# Altium PCB Copy of GPS_TRACKER_REVII.PcbDoc (part 1 of 2)
Units mm, origin at the board's own origin, x right, y up, seen from the top; angles counter-clockwise.
Board outline 100 x 74.9 mm, 4 copper layers (M1 Top, M2 Plane 1, M3 Layer 2, M4 Bottom), stack 1.49 mm thick; 83 components, 78 nets, 422 pads, 285 vias.
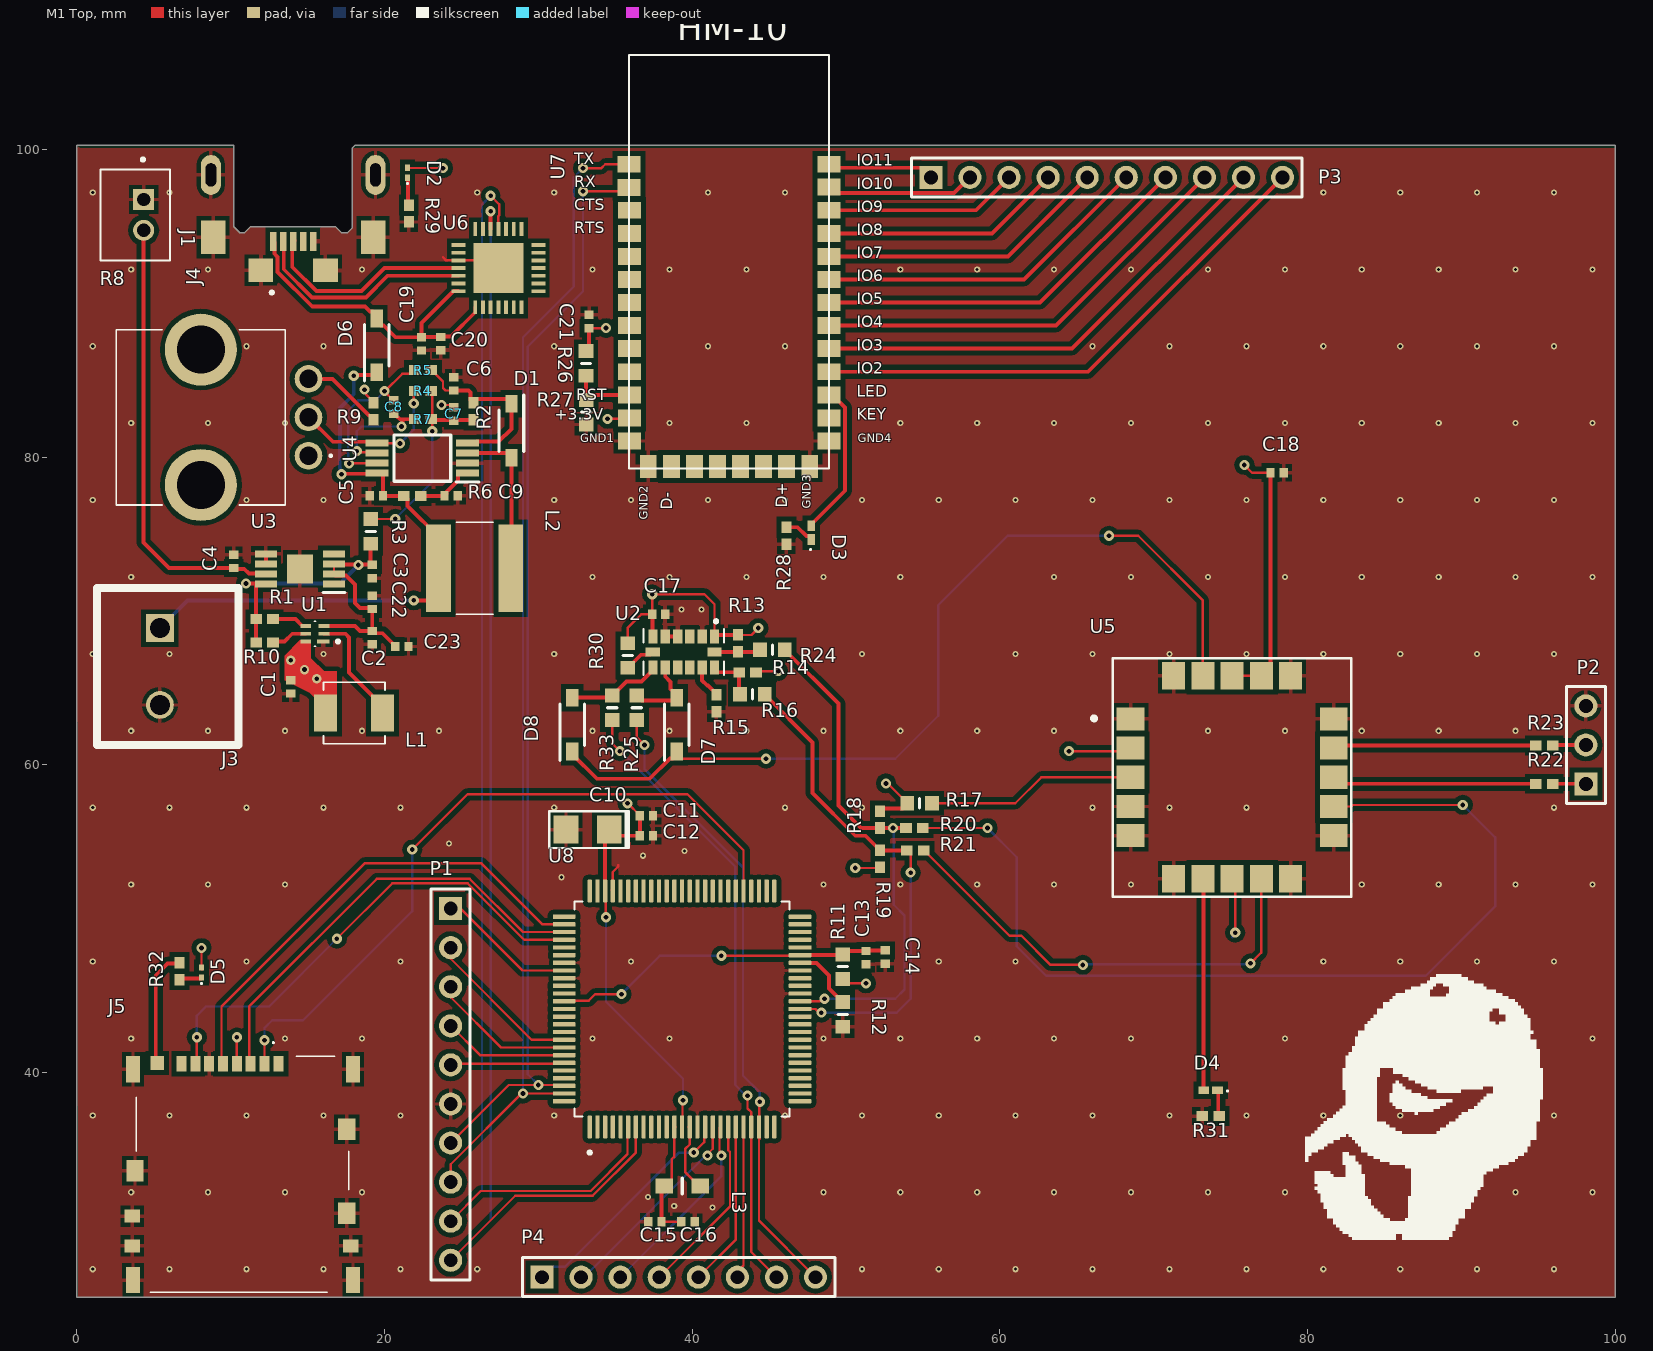
[diagram p0: M1 Top view]
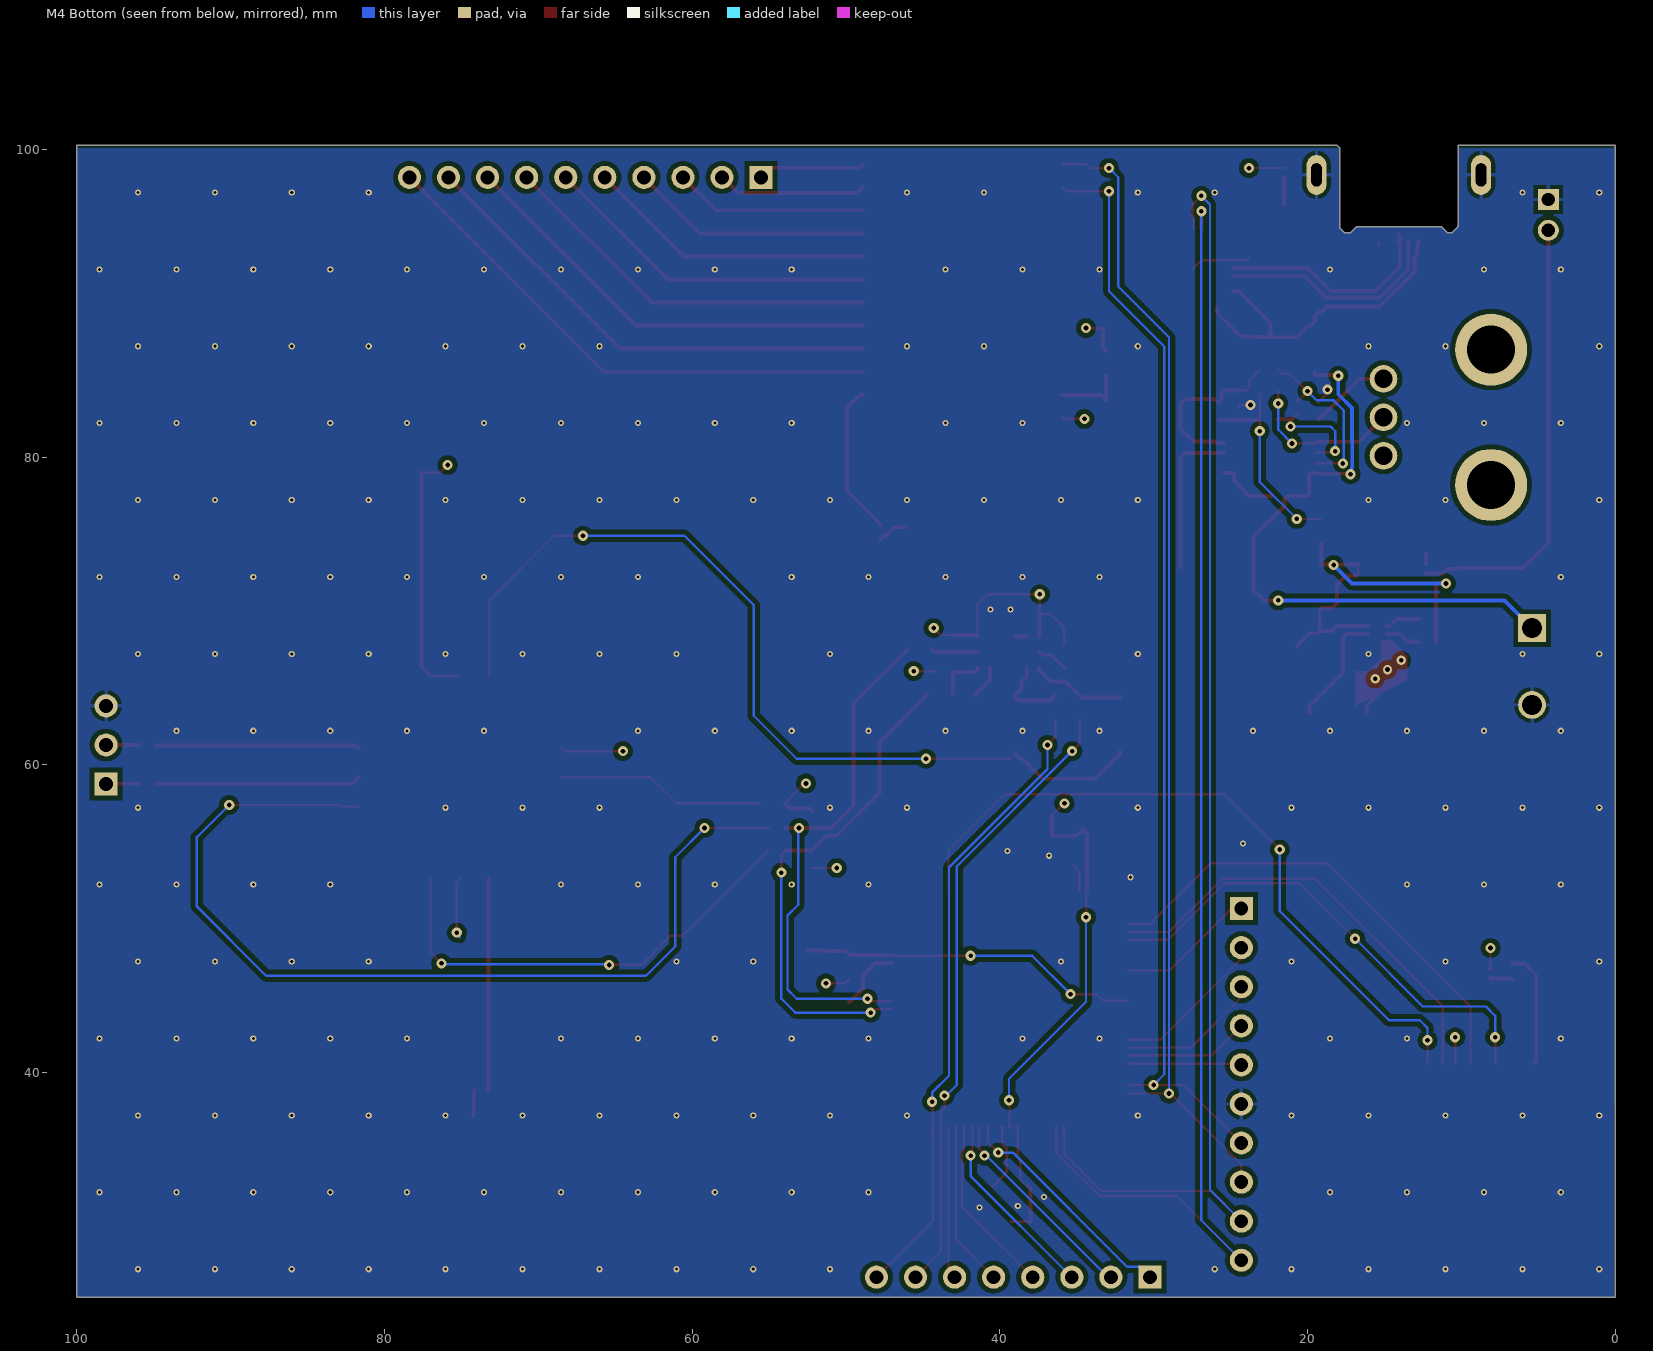
[diagram p1: M4 Bottom view, seen from below]
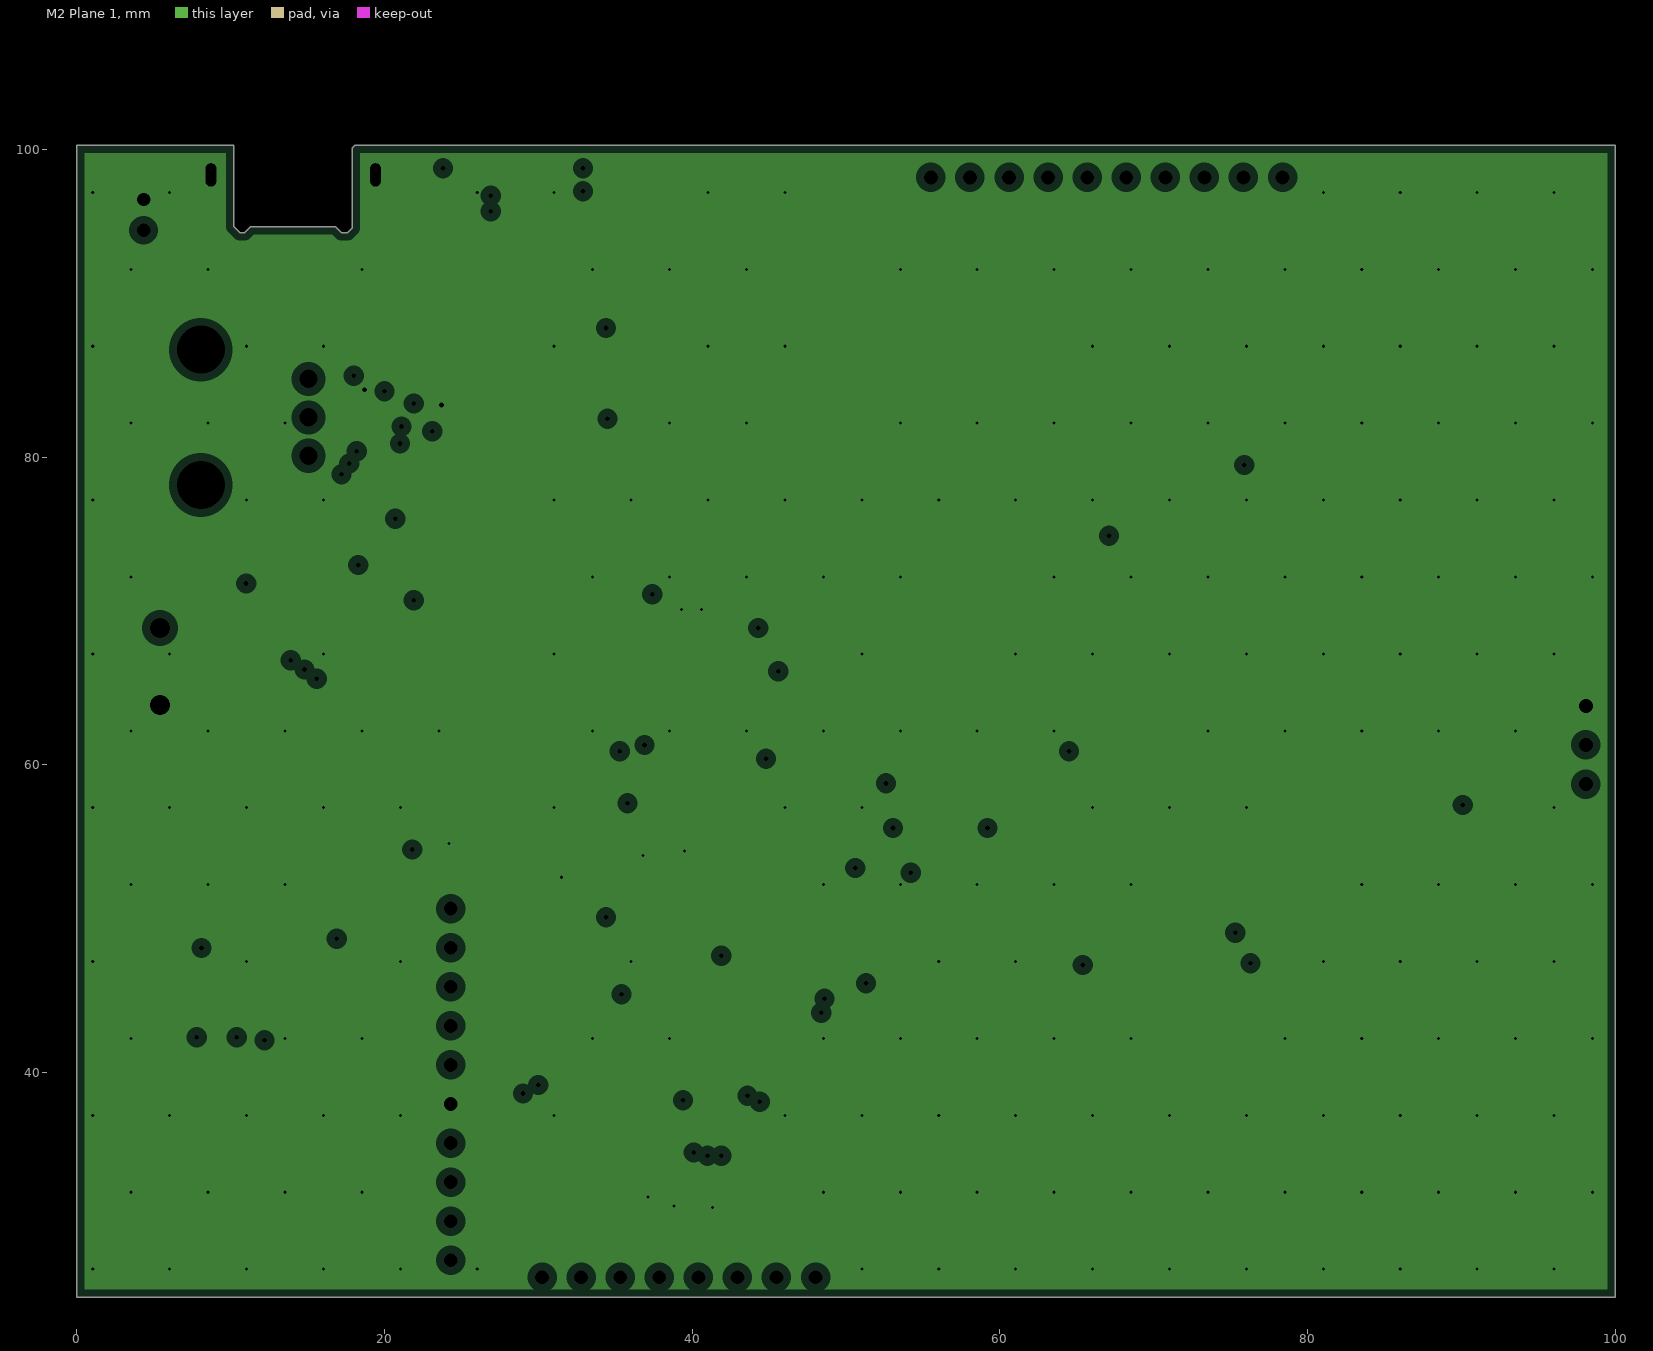
[diagram p2: M2 Plane 1, clearances drawn from the general rule]
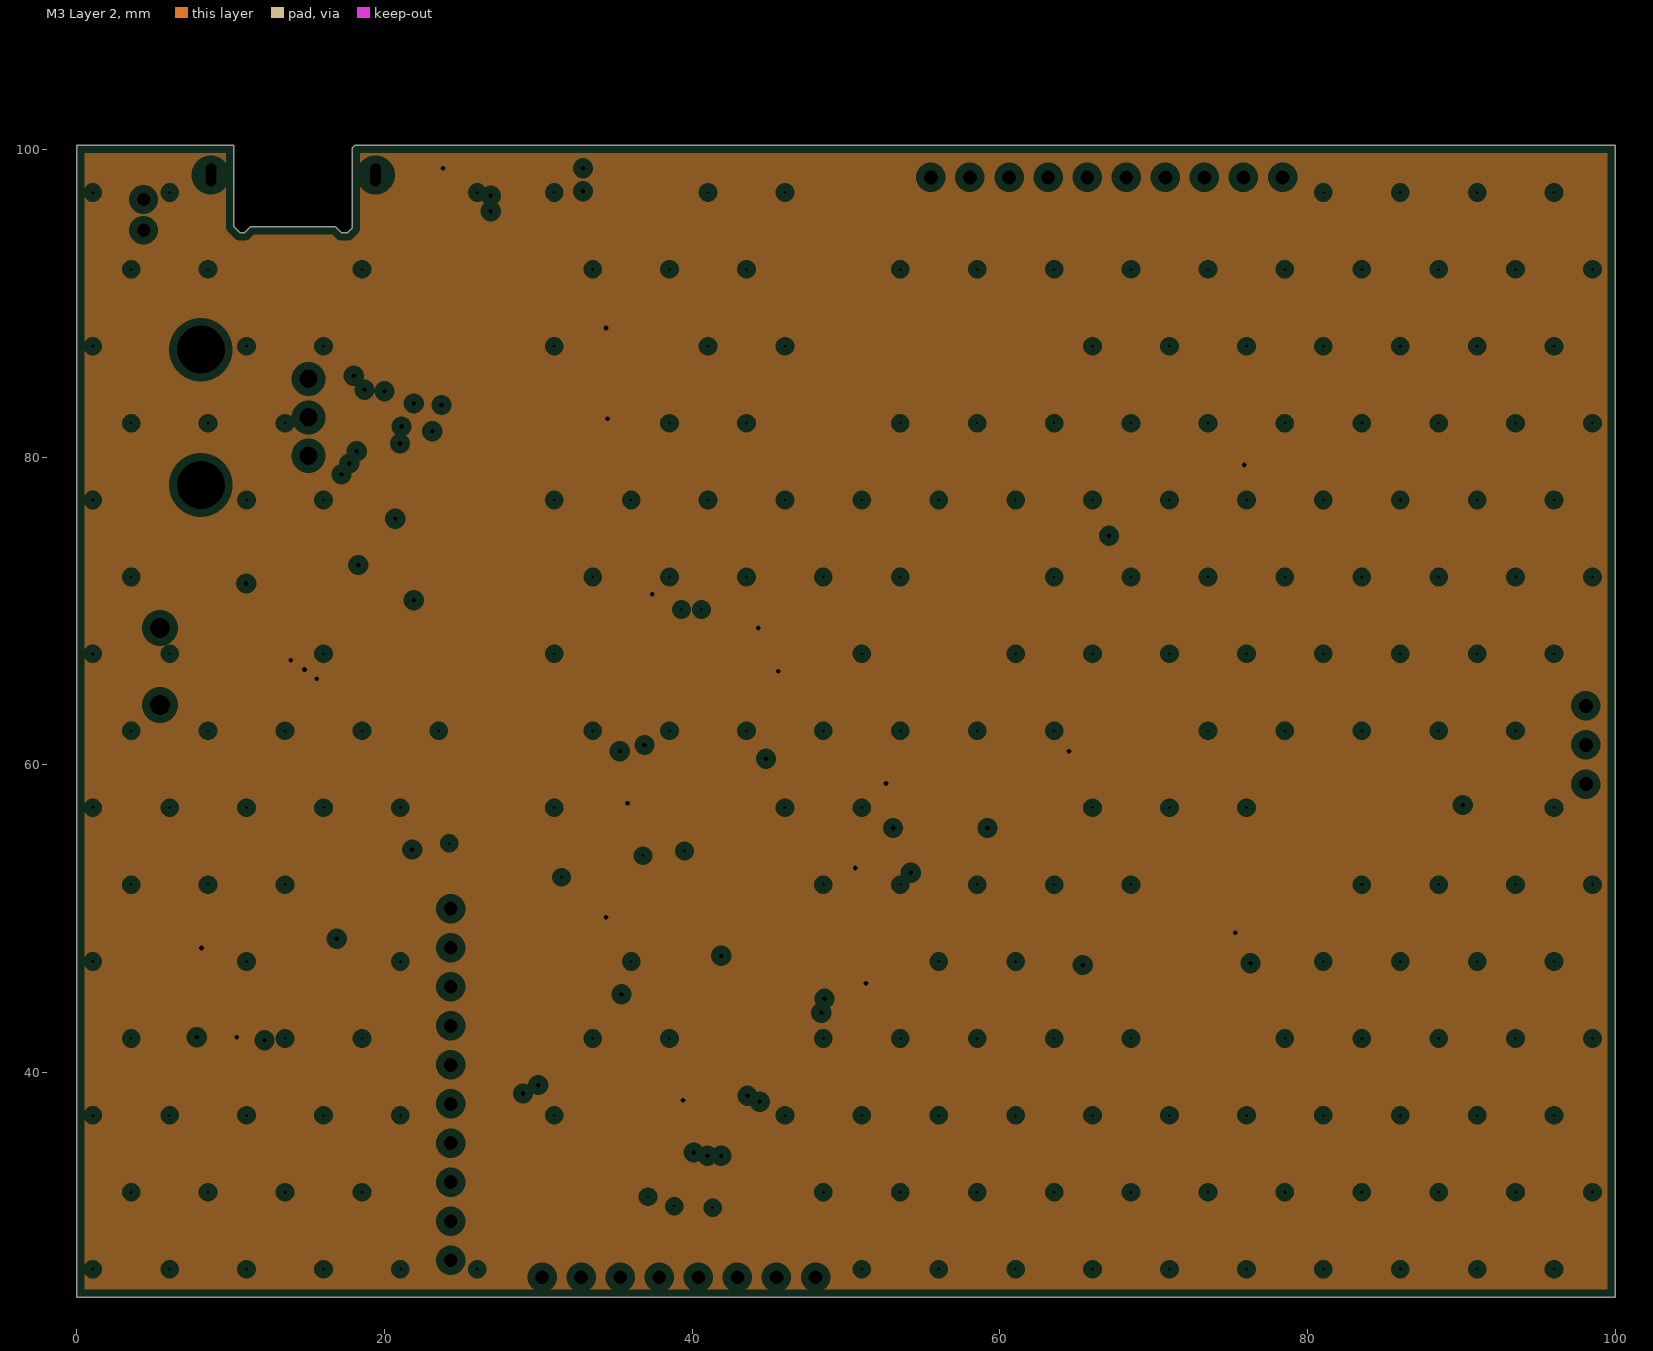
[diagram p3: M3 Layer 2, clearances drawn from the general rule]

## Layer stack, top to bottom
Top Solder: solder mask 0.0102, Solder Resist, Dk 3.5
M1 Top: signal copper 0.035
Dielectric 1-2: prepreg 0.11, PP-006, Dk 4.29
M2 Plane 1: plane copper 0.035, net GND
Dielectric 2-3: dielectric 1.13, FR-4, Dk 3.96
M3 Layer 2: plane copper 0.035, net 3v3
Dielectric 3-4: prepreg 0.11, PP-006, Dk 4.29
M4 Bottom: signal copper 0.035
Bottom Solder: solder mask 0.0102, Solder Resist, Dk 3.5

## Board outline
0,25.4 100,25.4 100,100.3 18.1,100.3 17.9,100.1 17.9,94.9 17.6,94.6 17.2,94.6 16.8,95 11.3,95 11,94.7 10.9,94.6 10.6,94.6 10.2,95 10.2,100.3 0,100.3

## Design rules (kind name [scope] priority, off if disabled: settings)
BoardOutlineClearance [StringText = FALSE] p1: gap=0.762 ignorepadtopadclearanceinfootprint=FALSE
Clearance Clearance_Polygon [InPoly = TRUE] p1: gap=0.305 ignorepadtopadclearanceinfootprint=FALSE
Clearance [All] p2: gap=0.152 ignorepadtopadclearanceinfootprint=FALSE
HoleSize [All] p1: absolutevalues=TRUE maxlimit=127 minlimit=0.305 maxpercent=80.000 minpercent=20.000
MinimumSolderMaskSliver [All] p1: minsoldermaskwidth=0
PlaneClearance [All] p1: clearance=0.508
PlaneConnect [All] p1: pad.planeconnectstyle=Relief pad.reliefexpansion=0.508 pad.reliefentries=4 pad.reliefconductorwidth=0.254 pad.reliefairgap=0.254 via.planeconnectstyle=Direct via.reliefexpansion=0.508 via.reliefentries=4 via.reliefconductorwidth=0.254 via.reliefairgap=0.254
PolygonConnect [All] p1: thpad.connectstyle=Relief thpad.reliefconductorwidth=0.254 thpad.reliefentries=4 thpad.polygonreliefangle="90 Angle" thpad.airgapwidth=0.254 smdpad.connectstyle=Relief smdpad.reliefconductorwidth=0.254 smdpad.reliefentries=4 smdpad.polygonreliefangle="90 Angle" smdpad.airgapwidth=0.254 via.connectstyle=Direct via.reliefconductorwidth=0.254 via.reliefentries=4 via.polygonreliefangle="90 Angle" via.airgapwidth=0.254
RoutingVias [All] p1: holewidth=0.305 width=0.66 viastyle="Through Hole" minholewidth=0.305 minwidth=0.61 maxholewidth=127 maxwidth=127
SilkToSilkClearance [All] p1: silktosilkclearance=0.003
SilkToSolderMaskClearance [IsPad] p1: minsilkscreentomaskgap=0.003 clearancetoexposedcopper=TRUE
SolderMaskExpansion [All] p1: expansion=0.102
Width [All] p1: maxlimit=127 minlimit=0.152 preferedwidth=0.254
24 further rules are at their usual default settings.

## Classes and differential pairs
component class "USB-UART Driver": C19 C20 J4 U6
component class "SD Card": D5 J5 P4 R32
component class SAM-M8Q: C18 D4 P2 R17 R18 R19 R20 R21 R22 R23 R31 U5
component class Power: C1 C2 C3 C4 C5 C6 C7 C8 C9 C22 C23 D1 D2 D6 J1 J3 L1 L2 R1 R2 R3 R4 R5 R6 R7 R8 R9 R10 R29 U1 U3 U4
component class MSP432: C10 C11 C12 C13 C14 C15 C16 L3 P1 R11 R12 U8
component class HM-10: C21 D3 P3 R26 R27 R28 U7
component class "ADXL 343": C17 D7 D8 R13 R14 R15 R16 R24 R25 R30 R33 U2

## Components (designator, comment, footprint, x,y, rotation, side; value= is the part's Value field where it differs from the comment)
C1 "Multilayer Ceramic Cap. 0402 (1005 Metric)" CAPC1005X55N 13.9,65.1 r90 top value=22uF
C2 "Multilayer Ceramic Cap. 0402 (1005 Metric)" CAPC1005X55N 19.2,68.3 r90 top value=10uF
C3 "Multilayer Ceramic Cap. 0402 (1005 Metric)" CAPC1005X55N 19.2,72.6 r90 top value=10uF
C4 "Multilayer Ceramic Cap. 0402 (1005 Metric)" CAPC1005X55N 10.2,73.205 r270 top value=10uF
C5 "Multilayer Ceramic Cap. 0402 (1005 Metric)" CAPC1005X55N 19.5,77.5 r0 top value=10uF
C6 "Multilayer Ceramic Cap. 0402 (1005 Metric)" CAPC1005X55N 24.5,84.75 r270 top value=10uF
C7 "Multilayer Ceramic Cap. 0402 (1005 Metric)" CAPC1005X55N 24.5,82.791 r270 top value=10uF
C8 "Multilayer Ceramic Cap. 0402 (1005 Metric)" CAPC1005X55N 20.6,83.3 r90 top value=1uF
C9 "Multilayer Ceramic Cap. 0402 (1005 Metric)" CAPC1005X55N 24.3,77.5 r180 top value=0.1uF
C10 "Cp1206" 1206p 33.2,55.8 r180 top value=10uF
C11 "Multilayer Ceramic Cap. 0402 (1005 Metric)" CAPC1005X55N 37,56.7 r180 top value=0.1uF
C12 "Multilayer Ceramic Cap. 0402 (1005 Metric)" CAPC1005X55N 37,55.4 r180 top value=0.1uF
C13 "Multilayer Ceramic Cap. 0402 (1005 Metric)" CAPC1005X55N 51.3,47.5 r90 top value=0.1uF
C14 "Multilayer Ceramic Cap. 0402 (1005 Metric)" CAPC1005X55N 52.55,47.54 r90 top value=0.1uF
C15 "Multilayer Ceramic Cap. 0402 (1005 Metric)" CAPC1005X55N 37.6,30.3 r0 top value=0.1uF
C16 "Multilayer Ceramic Cap. 0402 (1005 Metric)" CAPC1005X55N 39.7,30.3 r180 top value=4.7uF
C17 "Multilayer Ceramic Cap. 0402 (1005 Metric)" CAPC1005X55N 37.8,69.8 r180 top value=0.1uF
C18 "Multilayer Ceramic Cap. 0402 (1005 Metric)" CAPC1005X55N 78,79 r180 top value=1uF
C19 "Multilayer Ceramic Cap. 0402 (1005 Metric)" CAPC1005X55N 22.4,87.4 r90 top value=0.1uF
C20 "Multilayer Ceramic Cap. 0402 (1005 Metric)" CAPC1005X55N 23.65,87.419 r90 top value=1uF
C21 "Multilayer Ceramic Cap. 0402 (1005 Metric)" CAPC1005X55N 33.3,88.8 r270 top value=0.1uF
C22 "Multilayer Ceramic Cap. 0402 (1005 Metric)" CAPC1005X55N 19.2,70.541 r270 top value=10uF
C23 "Multilayer Ceramic Cap. 0402 (1005 Metric)" CAPC1005X55N 21.1,67.7 r180 top value=10uF
D1 "SBR80520LT1G" "Diode SOD-123-2" 28.25,81.75 r270 top
D2 "SML-LX0201UPGC-TR" SML-LX0201UPGC-TR 21.5,98.5 r180 top
D3 "APHHS1005LQBC/D-V" APHHS1005LQBC/D-V 47.7,75.1 r90 top
D4 "APHHS1005LQBC/D-V" APHHS1005LQBC/D-V 73.7,38.8 r180 top
D5 "SML-LX0201UPGC-TR" SML-LX0201UPGC-TR 8.1,46.5 r180 top
D6 "SBR80520LT1G" "Diode SOD-123-2" 19.5,87.25 r90 top
D7 "SBR80520LT1G" "Diode SOD-123-2" 39,62.6 r90 top
D8 "SBR80520LT1G" "Diode SOD-123-2" 32.2,62.6 r90 top
J1 "B2B-PH-K-S(LF)(SN)" B2B-PH-K-S(LF)(SN) 4.25,95.75 r90 top
J3 "Two-Position Terminal Block" TB001-500-02BE 5.4,66.4 r270 top
J4 "UJ2-MIBH-4-MSMT" UJ2-MIBH-4-MSMT 13.3,97.85 r270 top
J5 "693071030811" 693071030811 11,32.9 r0 top
L1 "74437324010" "Shielded Power Inductor" 18,63.4 r0 top value=1uH
L2 "1255AY-100M=P3" 1255AY-100M=P3 25.8,72.6 r0 top value="10 uH"
L3 "LQM21PN4R7NGRD" LQM21PN4R7NGRD 39.4,32.6 r180 top value=4.7uH
P1 "Header 10" HDR1X10 24.3,50.66 r270 top
P2 "Header 3" HDR1X3 98.1,58.76 r90 top
P3 "Header 10" HDR1X10 55.52,98.2 r0 top
P4 "Header 8" HDR1X8 30.24,26.7 r0 top
R1 "Resistor 0402 (1005 Metric)" "Thin-Film Resistor 0402 (1005 Metric)" 12.2,69.5 r180 top value=100k
R2 "Resistor 0402 (1005 Metric)" "Thin-Film Resistor 0402 (1005 Metric)" 25.75,83 r270 top value=10m
R3 "Resistor 0603" "Resistor 0603" 19.1,75.2 r270 top value=0
R4 "Resistor 0402 (1005 Metric)" "Thin-Film Resistor 0402 (1005 Metric)" 22.5,84.3 r0 top value=1M
R5 "Resistor 0402 (1005 Metric)" "Thin-Film Resistor 0402 (1005 Metric)" 22.5,85.7 r180 top value=1K
R6 "Resistor 0402 (1005 Metric)" "Thin-Film Resistor 0402 (1005 Metric)" 21.8,77.5 r180 top value=1K
R7 "Resistor 0402 (1005 Metric)" "Thin-Film Resistor 0402 (1005 Metric)" 22.5,82.5 r180 top value=1K
R8 "PTV09A-4015U-A104" PTV09A-4015U-A104 9,82.5 r90 top value=100k
R9 "Resistor 0402 (1005 Metric)" "Thin-Film Resistor 0402 (1005 Metric)" 19.25,83 r270 top value=422k
R10 "Resistor 0402 (1005 Metric)" "Thin-Film Resistor 0402 (1005 Metric)" 12.2,68 r180 top value=100k
R11 "Resistor 0603" "Resistor 0603" 49.8,46.9 r270 top value=0
R12 "Resistor 0603" "Resistor 0603" 49.8,43.8 r270 top value=91k
R13 "Resistor 0402 (1005 Metric)" "Thin-Film Resistor 0402 (1005 Metric)" 43,67.9 r90 top value=10k
R14 "Resistor 0402 (1005 Metric)" "Thin-Film Resistor 0402 (1005 Metric)" 43.6,66 r0 top value=10k
R15 "Resistor 0402 (1005 Metric)" "Thin-Film Resistor 0402 (1005 Metric)" 41.6,64 r90 top value=10k
R16 "Resistor 0603" "Resistor 0603" 43.9,64.6 r0 top value=0
R17 "Resistor 0603" "Resistor 0603" 54.8,57.5 r180 top value=0
R18 "Resistor 0402 (1005 Metric)" "Thin-Film Resistor 0402 (1005 Metric)" 52.225,56.45 r90 top value=2.2k